# Allegro board DPU_PoE_A1_Oct-13.brd
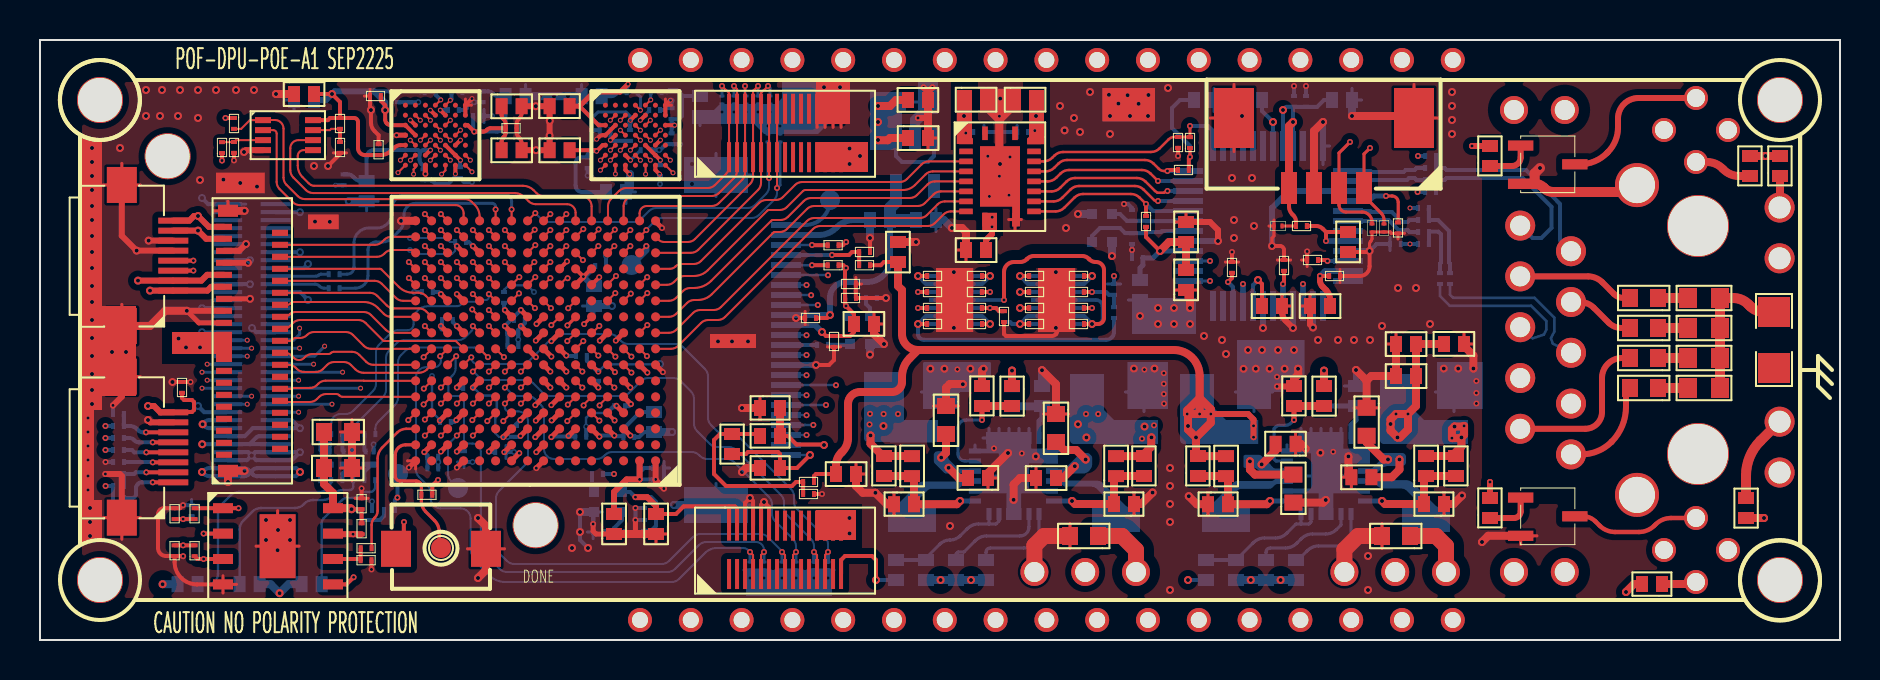
[diagram p0: board, top side]
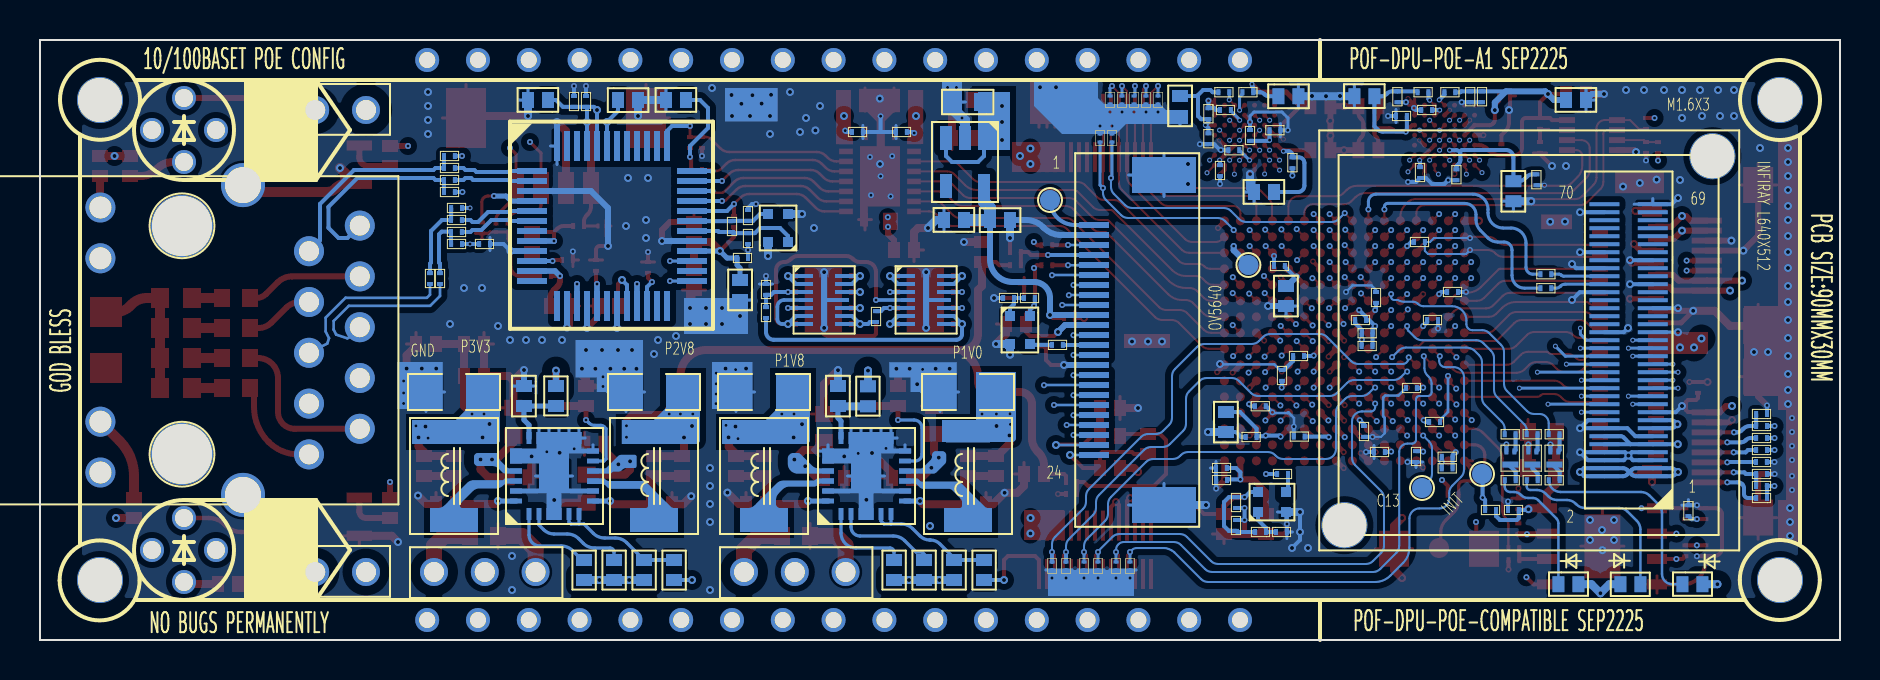
[diagram p1: board, bottom side, seen from below]

Outline 90 x 30 mm; copper layers: TOP, GND-2, SIG-3, VCC-4, GND-5, SIG-6, GND-7, BOTTOM. Coordinates in mm from the lower left corner of the outline.
Outline path: 0,30 90,30 90,0 0,0 0,30

## Design rules (mm)
constraint set DEFAULT: min track width 0.102, pair gap 0.2
net group CK: nets H1_D15 H1_RWDS1
net group DVP_MCLK: nets DVP_MCLK N763219
net group IO_LED_1: nets IO_LED_1 N1593321
net group IO_LED_2: nets IO_LED_2 N1593325
net group IO_LED_3: nets IO_LED_3 N1593329
net group IR_1V8_EN: nets IR_1V8_EN IR_3V3
net group IR_3V3_EN: nets IR_3V3_EN IR_5V0
net group IR_UART_RX: nets IR_UART_RX N2822398
net group IR_UART_TX: nets IR_UART_TX N2822416
net group MCLK: nets MCLK N900708
net group MG_DATABUS_8_15: nets IO-4 IR_D2
net group MIPI1_CLK: nets MIPI1_CLK+ MIPI1_CLK-
net group MIPI1_D0: nets MIPI1_D0+ MIPI1_D0-
net group MIPI1_D1: nets MIPI1_D1+ MIPI1_D1-
net group MIPI2_CLK: nets MIPI2_CLK+ MIPI2_CLK-
net group MIPI2_D0: nets MIPI2_D0+ MIPI2_D0-
net group MIPI2_D1: nets MIPI2_D1+ MIPI2_D1-
net group N2933507: nets N2933507 N2934366
net group P2V8: nets N2071731 N2071821
net group SYS_CLK: nets N990230 SYS_CLK
net group TN: nets N2902183 TN
net group TP: nets N2902195 TP
net group UPLD_TXD1: nets N3194743 UPLD_TXD1
net group UPLD_TXD2: nets N3195213 UPLD_TXD2
net group CENTER12: nets CENTER12 CENTER56 GND_EARTH N2982594 N29811470 N29812170 N29812430 N29812690 SPARE7 SPARE8
net group EN_ME1: nets EN_ME1 EN_ME2 PWR_EN_EXT
net group H1_CK: nets H1_CKN
net group MG1: nets H2_CKN H2_CKP H2_D0 H2_D1 H2_D2 H2_D3 H2_D4 H2_D5 H2_D6 H2_D7 H2_D8 H2_D9 H2_D10 H2_D12 H2_D13 H2_D14 H2_D15 H2_RWDS0 H2_RWDS1
net group MG2: nets H1_CKP H1_CS H1_D0 H1_D1 H1_D2 H1_D3 H1_D4 H1_D5 H1_D6 H1_D7 H1_D8 H1_D9 H1_D10 H1_D11 H1_D12 H1_D13 H1_D14 H1_RWDS0
net group MG_DATABUS_0_7: nets H2_D11
net group MG_DVP: nets DVP_D0 DVP_D1 DVP_D2 DVP_D3 DVP_D4 DVP_D5 DVP_D6 DVP_D7 DVP_HSYNC DVP_PCLK DVP_VSYNC
net group MG_IR_CAM: nets IR_D0 IR_D1 IR_D3 IR_D4 IR_D5 IR_D6 IR_D7 IR_D8 IR_D9 IR_D10 IR_D11 IR_D12 IR_D13 IR_D14 IR_D15 IR_HSYNC IR_PCLK IR_VSYNC
net group RN: nets N2902207 N3368856 N3369036 RN
net group RP: nets N2902219 N3368850 RP

## Placement (name value [footprint] x y rotation side)
C1  10uF  [C0402_SMT]  12.7 27.3 0 top
C2  0.1uF  [C0201_SMT]  16.5 27.2 0 top
C3  10uF  [C0402_SMT]  46.3 27.02 0 top
C4  10uF  [C0402_SMT]  48.75 27.02 0 top
C5  10uF  [C0402_SMT]  44.4 27 180 top
C6  10uF  [C0402_SMT]  23.08 26.69 0 top
C7  10uF  [C0402_SMT]  26.48 26.69 180 top
C8  0.1uF  [C0201_SMT]  23.83 25.59 180 top
C9  10uF  [C0402_SMT]  43.4 25.1 0 top
C10  0.1uF  [C0201_SMT]  56.9 25.15 270 top
C11  4.7uF  [C0201_SMT]  16.93 24.79 270 top
C12  10uF  [C0402_SMT]  23.08 24.49 0 top
C13  0.1uF  [C0402_SMT]  25.48 24.49 0 top
C14  0.1uF  [C0201_SMT]  67.9 20.33 90 top
C15  10uF  [C0402_SMT]  65.4 19.4 90 top
C16  10uF  [C0402_SMT]  46.3 19.5 0 top
C17  0.1uF  [C0201_SMT]  41.5 19.4 180 top
C18  10uF  [C0402_SMT]  42.9 19.9 270 top
C19  0.1uF  [C0201_SMT]  62.2 19 270 top
C20  10nF  [C0201_SMT]  59.6 18.9 270 top
C21  4.7uF  [C0201_SMT]  44.9 18.2 180 top
C22  4.7uF  [C0201_SMT]  47.1 18.2 180 top
C23  4.7uF  [C0201_SMT]  50 18.2 180 top
C24  4.7uF  [C0201_SMT]  52.2 18.2 180 top
C25  0.1uF  [C0201_SMT]  65 18.2 180 top
C26  0.1uF  [C0201_SMT]  40.25 17.8 0 top
C27  0.1uF  [C0201_SMT]  44.9 17.4 180 top
C28  0.1uF  [C0201_SMT]  50 17.4 180 top
C29  0.1uF  [C0201_SMT]  40.8 17.1 180 top
C30  10nF/100V  [C0603_SMT]  80.9 17.1 180 top
C31  4.7uF  [C0402_SMT]  61.1 16.7 0 top
C32  10uF  [C0402_SMT]  63.5 16.7 0 top
C33  0.1uF  [C0201_SMT]  44.9 16.6 180 top
C34  0.1uF  [C0201_SMT]  50 16.6 180 top
C35  0.1uF  [C0201_SMT]  48.2 15.9 90 top
C36  0.1uF  [C0201_SMT]  38.8 16.1 180 top
C37  10uF  [C0402_SMT]  41.7 15.8 180 top
C38  4.7uF  [C0201_SMT]  44.9 15.8 180 top
C39  4.7uF  [C0201_SMT]  47.1 15.8 180 top
C40  4.7uF  [C0201_SMT]  50 15.8 180 top
C41  4.7uF  [C0201_SMT]  52.2 15.8 180 top
C42  10nF/100V  [C0603_SMT]  80.9 15.6 180 top
C43  1000pF/2KV  [C1206_SMT]  87.5 13.4 90 top
C44  0.1uF  [C0201_SMT]  39.7 15.2 270 top
C45  10nF/100V  [C0603_SMT]  80.9 14.1 180 top
C46  0.1uF  [C0201_SMT]  7.1 12.9 270 top
C47  10nF/100V  [C0603_SMT]  80.9 12.6 180 top
C48  22uF  [C0603_SMT]  45.3 11.7 270 top
C49  22uF  [C0603_SMT]  66.33 11.61 270 top
C50  22uF  [C0603_SMT]  50.8 11.3 270 top
C51  0.1uF  [C0402_SMT]  62.78 9.81 180 top
C52  16pF  [C0402_SMT]  69.3 8.2 90 top
C53  200pF  [C0402_SMT]  43.6 8.2 90 top
C54  39pF  [C0402_SMT]  53.8 8.2 90 top
C55  20pF  [C0402_SMT]  59.3 8.2 90 top
C56  22uF  [C0603_SMT]  15.6 8.6 180 top
C57  10uF  [C0402_SMT]  39.8 8.3 0 top
C58  0.1uF  [C0402_SMT]  65.57 8.14 0 top
C59  0.1uF  [C0402_SMT]  47.4 8.1 180 top
C60  0.1uF  [C0402_SMT]  49.8 8.1 0 top
C61  22uF  [C0603_SMT]  62.67 6.87 90 top
C62  0.1uF  [C0201_SMT]  38.7 7.3 180 top
C63  0.1uF  [C0201_SMT]  16.08 6.54 90 top
C64  0.1uF  [C0201_SMT]  6.73 6.59 270 top
C65  10uF  [C0402_SMT]  28.7 5.3 90 top
C66  10uF  [C0402_SMT]  30.8 5.3 90 top
C67  0.1uF  [C0201_SMT]  6.73 4.19 90 top
C68  10uF  [C0402_SMT]  28.08 27.19 180 bottom
C69  10uF  [C0402_SMT]  23.28 27.19 0 bottom
C70  0.1uF  [C0201_SMT]  22.13 26.89 90 bottom
C71  0.1uF  [C0201_SMT]  18.49 26.89 90 bottom
C72  0.1uF  [C0201_SMT]  17.9 26.89 90 bottom
C73  10uF  [C0402_SMT]  64.6 27 0 bottom
C74  10uF  [C0402_SMT]  61.1 27 180 bottom
C75  10uF  [C0402_SMT]  57.7 27 0 bottom
C76  10uF  [C0402_SMT]  12.7 27 0 bottom
C77  0.1uF  [C0201_SMT]  63.3 27.2 270 bottom
C78  0.1uF  [C0201_SMT]  62.7 27.2 270 bottom
C79  22uF  [C0603_SMT]  42.9 26.9 0 bottom
C80  10uF  [C0402_SMT]  33 26.2 90 bottom
C81  0.1uF  [C0201_SMT]  31 26.5 180 bottom
C82  0.1uF  [C0201_SMT]  20.94 26.5 180 bottom
C83  0.1uF  [C0201_SMT]  31.58 26.59 270 bottom
C84  0.1uF  [C0201_SMT]  22.2 26.2 180 bottom
C85  0.1uF  [C0201_SMT]  27.98 25.49 0 bottom
C86  0.1uF  [C0201_SMT]  49.4 25.4 180 bottom
C87  0.1uF  [C0201_SMT]  47.2 25.4 180 bottom
C88  0.1uF  [C0201_SMT]  29.5 25.5 270 bottom
C89  0.1uF  [C0201_SMT]  31.58 24.79 90 bottom
C90  0.1uF  [C0201_SMT]  30.58 24.49 180 bottom
C91  0.1uF  [C0201_SMT]  27.38 23.59 90 bottom
C92  0.1uF  [C0201_SMT]  31 23.2 90 bottom
C93  0.1uF  [C0201_SMT]  21 23.1 90 bottom
C94  0.1uF  [C0201_SMT]  19.18 22.99 90 bottom
C95  0.1uF  [C0201_SMT]  15.18 22.74 90 bottom
C96  10uF  [C0402_SMT]  16.33 22.94 270 bottom
C97  10uF  [C0402_SMT]  28.3 22.4 0 bottom
C98  12pF  [C0201_SMT]  54.6 21.5 270 bottom
C99  10uF  [C0402_SMT]  43.8 21 0 bottom
C100  10uF  [C0402_SMT]  42.5 21 180 bottom
C101  12pF  [C0201_SMT]  54.6 19.8 90 bottom
C102  0.1uF  [C0201_SMT]  21.3 19.9 180 bottom
C103  0.1uF  [C0201_SMT]  54.6 19.1 0 bottom
C104  4.7uF  [C0201_SMT]  28.3 18.7 180 bottom
C105  0.1uF  [C0201_SMT]  53.7 17.8 270 bottom
C106  10uF  [C0402_SMT]  55 17 90 bottom
C107  4.7uF  [C0201_SMT]  19.1 17.4 0 bottom
C108  10uF  [C0402_SMT]  27.7 17.7 270 bottom
C109  0.1uF  [C0201_SMT]  23.2 17.4 270 bottom
C110  0.1uF  [C0201_SMT]  23.7 16 0 bottom
C111  0.1uF  [C0201_SMT]  20.1 16 0 bottom
C112  0.1uF  [C0201_SMT]  23.37 15.34 0 bottom
C113  0.1uF  [C0201_SMT]  23.92 14.7 180 bottom
C114  0.1uF  [C0201_SMT]  26.8 14.2 0 bottom
C115  0.1uF  [C0201_SMT]  27.9 13.5 270 bottom
C116  0.1uF  [C0201_SMT]  21.7 12.6 180 bottom
C117  33uF  [C1206_SMT]  67.7 13.2 0 bottom
C118  33uF  [C1206_SMT]  57.7 13.2 0 bottom
C119  47uF  [C1206_SMT]  52.2 13.2 0 bottom
C120  47uF  [C1206_SMT]  42 13.2 0 bottom
C121  1uF  [C0402_SMT]  65.8 12.7 270 bottom
C122  1uF  [C0402_SMT]  50.1 12.7 270 bottom
C123  4.7uF  [C0201_SMT]  28.71 11.69 0 bottom
C124  0.1uF  [C0201_SMT]  20 10.9 0 bottom
C125  10uF  [C0402_SMT]  30.7 11.4 270 bottom
C126  0.1uF  [C0201_SMT]  23.8 10.7 270 bottom
C127  4.7uF  [C0201_SMT]  27.31 10.17 180 bottom
C128  0.1uF  [C0201_SMT]  29.17 10.15 0 bottom
C129  0.1uF  [C0201_SMT]  23.3 9.4 180 bottom
C130  0.1uF  [C0201_SMT]  21.2 8.9 90 bottom
C131  0.1uF  [C0201_SMT]  19.36 9.16 0 bottom
C132  0.1uF  [C0201_SMT]  31.2 8.6 180 bottom
C133  4.7uF  [C0201_SMT]  19.91 8.58 180 bottom
C134  470nF  [C0201_SMT]  3.65 8.3 0 bottom
C135  0.1uF  [C0201_SMT]  30.65 8 0 bottom
C136  4.7uF  [C0201_SMT]  30.2 6.6 90 bottom
C137  0.1uF  [C0201_SMT]  16.6 6.5 180 bottom
C138  0.1uF  [C0201_SMT]  7.58 6.74 270 bottom
C139  0.1uF  [C0201_SMT]  30.2 6 270 bottom
C140  6.8nF  [C0201_SMT]  70 17.8 90 bottom
C141  6.8nF  [C0201_SMT]  70.5 17.8 90 bottom
C142  10nF  [C0201_SMT]  67.5 19.8 0 bottom
C143  10uF  [C0402_SMT]  57.3 19.9 90 top
C144  10uF  [C0402_SMT]  67.8 14.8 0 top
C145  10uF  [C0402_SMT]  71.2 14.8 180 top
C146  10uF  [C0402_SMT]  67.8 13.2 0 top
C147  10uF  [C0402_SMT]  57.3 17.5 90 top
C149  22uF  [C0603_SMT]  14.2 10.4 0 top
C150  22uF  [C0603_SMT]  52.9 5.2 180 top
C151  22uF  [C0603_SMT]  68.5 5.2 180 top
D1  PESD2V0Y1BSF  [DSN0603-2]  61.7 20.7 0 top
D2  PESD2V0Y1BSF  [DSN0603-2]  66.6 20.4 90 top
D3  PESD2V0Y1BSF  [DSN0603-2]  67.2 20.4 90 top
D4  PESD2V0Y1BSF  [DSN0603-2]  36.5 26.8 90 bottom
D5  PESD2V0Y1BSF  [DSN0603-2]  35.9 26.8 90 bottom
D6  PESD2V0Y1BSF  [DSN0603-2]  35.3 26.8 90 bottom
D7  PESD2V0Y1BSF  [DSN0603-2]  34.7 26.8 90 bottom
D8  PESD2V0Y1BSF  [DSN0603-2]  34.1 26.8 90 bottom
D9  PESD2V0Y1BSF  [DSN0603-2]  37 25.3 270 bottom
D10  PESD2V0Y1BSF  [DSN0603-2]  36.4 25.3 270 bottom
D11  PESD2V0Y1BSF  [DSN0603-2]  39.4 3.5 90 bottom
D12  PESD2V0Y1BSF  [DSN0603-2]  38.7 3.5 90 bottom
D13  PESD2V0Y1BSF  [DSN0603-2]  37.8 3.5 90 bottom
D14  PESD2V0Y1BSF  [DSN0603-2]  37.1 3.5 90 bottom
D15  PESD2V0Y1BSF  [DSN0603-2]  36.2 3.5 90 bottom
D16  PESD2V0Y1BSF  [DSN0603-2]  35.5 3.5 90 bottom
D17  LED  [LED0402_SMT]  14.08 2.79 180 bottom
D18  LED  [LED0402_SMT]  7.88 2.79 180 bottom
D19  LED  [LED0402_SMT]  9.98 2.79 0 bottom
FB1  BLM15PD121SN1D  [L0201_SMT]  62.8 20.7 0 top
FB2  BLM15PD121SN1D  [L0201_SMT]  41.5 18.74 180 top
FB3  BLM15PD121SN1D  [L0201_SMT]  38.7 7.9 180 top
J1  CONN-2X15P  [DF40HC_3D0_30DS_0D4]  34.45 26.56 0 top
J2  HC-1.25-4PWT  [SMD-1D25-4P-DEG0]  66.2 22.6 180 top
J3  CONN-1X8  [FPC-0D5-8P]  6.66 17.47 90 top
J4  CONN-1X8  [FPC-0D5-8P]  6.66 7.88 90 top
J5  CONN-2X15P  [DF40HC_3D0_30DS_0D4]  34.45 5.72 0 top
J6  CONN-1X2P  [CONN-1X2P-2D54]  73.7 26.5 0 bottom
J7  FPC-05F-24PH20  [FPC-0D5-24P]  37.3 9.25 90 bottom
J8  DF40HC(3.0)-70DS-0.4V(51)  [DF40HC-70DS_]  11.78 8.19 90 bottom
J9  CONN-1X2P  [CONN-1X2P-2D54]  73.7 3.4 0 bottom
J10  CONN-1X3P  [CONN-1X3P-2D54]  70.3 3.4 180 bottom
J11  CONN-1X3P  [CONN-1X3P-2D54]  54.8 3.4 180 bottom
L1  1uH/1A  [IND_SMD_4D4X4D2]  69.3 6 90 bottom
L2  1uH/1A  [IND_SMD_4D4X4D2]  59.3 6 90 bottom
L3  1uH/1A  [IND_SMD_4D4X4D2]  53.8 6 90 bottom
L4  1uH/1A  [IND_SMD_4D4X4D2]  43.6 6 90 bottom
LD1  LaserDiode  [LD_CIR_THR_4P]  82.8 25.5 270 bottom
LD2  LaserDiode  [LD_CIR_THR_4P]  82.8 4.5 270 bottom
NOREF  -  []  0 30 0 top
NOREF#2  -  [unnamed#2]  87 3 0 top
NOREF#3  -  []  0 0 90 top
NOREF#4  -  [unnamed#3]  82.9 9.3 0 top
NOREF#5  -  [unnamed#2]  6.38 24.19 0 top
NOREF#6  -  [unnamed#2]  3 27 0 top
NOREF#7  -  [unnamed#2]  3 3 0 top
NOREF#8  -  [unnamed#3]  82.9 20.7 0 top
NOREF#9  -  [unnamed#2]  24.78 5.74 0 top
NOREF#10  -  [unnamed#2]  87 27 0 top
Q1  BFR93AWH6327  [SOT23-3]  73.6 25.2 270 top
Q2  BFR93AWH6327  [SOT23-3]  73.6 7.6 270 top
Q3  BC847BMB,315  [DFN-3-1X0D6]  16.48 9.09 180 bottom
Q4  BC847BMB,315  [DFN-3-1X0D6]  15.38 9.09 180 bottom
Q5  BC847BMB,315  [DFN-3-1X0D6]  14.28 9.09 180 bottom
R1  10K  [R0201_SMT]  9.7 26.1 270 top
R2  10K  [R0201_SMT]  15 26.1 270 top
R3  10K  [R0201_SMT]  57.5 24.6 90 top
R4  10K  [R0201_SMT]  9.1 24.35 90 top
R5  DNP  [R0201_SMT]  9.7 24.9 270 top
R6  DNP  [R0201_SMT]  15 24.9 270 top
R7  0R  [R0402_SMT]  72.5 23.7 90 top
R8  100R  [R0402_SMT]  85.5 23.2 90 top
R9  330R  [R0402_SMT]  87 23.2 90 top
R10  10K  [R0201_SMT]  56.9 23.5 0 top
R11  10K  [R0201_SMT]  55.3 21.2 270 top
R12  10K  [R0201_SMT]  39.93 19.74 180 top
R13  12.4K,1%  [R0201_SMT]  63.9 19 180 top
R14  10K  [R0201_SMT]  39.93 18.74 180 top
R15  100K  [R0201_SMT]  46.55 17.4 0 top
R16  100K  [R0201_SMT]  51.65 17.4 0 top
R17  75  [R0603_SMT]  82.4 17.1 0 top
R18  100K  [R0201_SMT]  46.55 16.6 0 top
R19  100K  [R0201_SMT]  51.65 16.6 0 top
R20  75  [R0603_SMT]  82.4 15.6 0 top
R21  75  [R0603_SMT]  82.4 14.1 0 top
R22  75  [R0603_SMT]  82.4 12.6 0 top
R23  DNP  [R0402_SMT]  47.1 11.7 90 top
R24  DNP  [R0402_SMT]  62.7 11.7 90 top
R25  0R  [R0402_SMT]  48.6 12.7 270 top
R26  0R  [R0402_SMT]  64.2 12.7 270 top
R27  DNP  [R0402_SMT]  36 11.6 0 top
R28  0R  [R0402_SMT]  36 10.2 0 top
R29  DNP  [R0402_SMT]  34.6 10.3 270 top
R30  24.9K  [R0402_SMT]  42.2 8.2 90 top
R31  125K  [R0402_SMT]  55.2 8.2 90 top
R32  120K  [R0402_SMT]  57.9 8.2 90 top
R33  154K  [R0402_SMT]  70.8 8.2 90 top
R34  0R  [R0402_SMT]  36 8.6 0 top
R35  4.7K  [R0201_SMT]  19.07 7.26 0 top
R36  100K  [R0402_SMT]  42.7 6.79 0 top
R37  100K  [R0402_SMT]  54.7 6.8 180 top
R38  48K  [R0402_SMT]  58.4 6.79 0 top
R39  49.9K  [R0402_SMT]  70.2 6.8 180 top
R40  0R  [R0402_SMT]  72.5 6.1 90 top
R41  330R  [R0402_SMT]  85.3 7.1 270 top
R42  4.7K  [R0201_SMT]  7.73 6.59 270 top
R43  4.7K  [R0201_SMT]  16.08 5.29 90 top
R44  33R  [R0201_SMT]  16.58 4.59 180 top
R45  4.7K  [R0201_SMT]  7.73 4.19 90 top
R46  DNP  [R0201_SMT]  16.03 3.99 0 top
R47  100R  [R0402_SMT]  81.1 2.8 180 top
R48  2.2K  [R0201_SMT]  31.08 27.39 180 bottom
R49  2.2K  [R0201_SMT]  29.88 27.39 180 bottom
R50  2.2K  [R0201_SMT]  21.12 27.39 180 bottom
R51  2.2K  [R0201_SMT]  19.78 27.39 180 bottom
R52  33R  [R0201_SMT]  69.8 23.6 180 bottom
R53  33R  [R0201_SMT]  69.8 23 180 bottom
R54  33R  [R0201_SMT]  69.45 21 180 bottom
R55  33R  [R0201_SMT]  69.45 20.4 180 bottom
R56  1M  [R0201_SMT]  55.4 20.4 90 bottom
R57  0R  [R0201_SMT]  14.98 18.29 180 bottom
R58  0R  [R0201_SMT]  14.98 17.59 180 bottom
R59  DNP  [R0201_SMT]  41.3 17.1 0 bottom
R60  0R  [R0201_SMT]  40.8 17.1 180 bottom
R61  100K  [R0201_SMT]  53.7 16.1 90 bottom
R62  100K  [R0201_SMT]  48.2 15.9 90 bottom
R63  33R  [R0201_SMT]  39.4 14.76 180 bottom
R64  10R  [R0402_SMT]  64.2 11.7 90 bottom
R65  10R  [R0402_SMT]  48.6 11.68 90 bottom
R66  DNP  [R0201_SMT]  3.65 11.3 0 bottom
R67  1K  [R0201_SMT]  3.65 10.7 0 bottom
R68  1K  [R0201_SMT]  16.77 10.29 180 bottom
R69  1K  [R0201_SMT]  15.66 10.29 180 bottom
R70  1K  [R0201_SMT]  14.56 10.29 180 bottom
R71  4.7K  [R0201_SMT]  3.65 10.1 0 bottom
R72  4.7K  [R0201_SMT]  3.65 9.5 0 bottom
R73  2.2K  [R0201_SMT]  4.2 8.9 180 bottom
R74  33R  [R0201_SMT]  27.6 8.3 0 bottom
R75  20K  [R0201_SMT]  16.21 7.99 0 bottom
R76  20K  [R0201_SMT]  15.12 7.99 0 bottom
R77  20K  [R0201_SMT]  14.02 7.99 0 bottom
R78  4.7K  [R0201_SMT]  4.2 7.7 180 bottom
R79  4.7K  [R0201_SMT]  3.65 7.1 0 bottom
R80  4.7K  [R0201_SMT]  17.2 6.5 0 bottom
R81  0R  [R0201_SMT]  28.7 5.4 0 bottom
R82  DNP  [R0201_SMT]  28.2 5.4 180 bottom
R83  10K  [R0402_SMT]  62.8 4 270 bottom
R84  10K  [R0402_SMT]  61.3 4 270 bottom
R85  0R  [R0402_SMT]  59.8 4 270 bottom
R86  DNP  [R0402_SMT]  58.3 4 270 bottom
R87  10K  [R0402_SMT]  47.3 4 270 bottom
R88  10K  [R0402_SMT]  45.8 4 270 bottom
R89  0R  [R0402_SMT]  44.3 4 270 bottom
R90  DNP  [R0402_SMT]  42.8 4 270 bottom
R91  49.9R  [R0201_SMT]  69.8 24.2 180 bottom
R92  49.9R  [R0201_SMT]  69.8 22.4 180 bottom
R93  49.9R  [R0201_SMT]  68.9 21.6 0 bottom
R94  49.9R  [R0201_SMT]  68.9 19.8 0 bottom
SW1  SW KEY-SPST  [SW_SMD_2P_L3D9_W3D0_P4D5]  22.3 4.56 180 top
TP1  T POINT F  [TP_THR_CIR_0D8_1D2]  30 29 0 top
TP2  T POINT F  [TP_THR_CIR_0D8_1D2]  32.54 29 0 top
TP3  T POINT F  [TP_THR_CIR_0D8_1D2]  35.08 29 0 top
TP4  T POINT F  [TP_THR_CIR_0D8_1D2]  37.62 29 0 top
TP5  T POINT F  [TP_THR_CIR_0D8_1D2]  40.16 29 0 top
TP6  T POINT F  [TP_THR_CIR_0D8_1D2]  42.7 29 0 top
TP7  T POINT F  [TP_THR_CIR_0D8_1D2]  45.24 29 0 top
TP8  T POINT F  [TP_THR_CIR_0D8_1D2]  47.78 29 0 top
TP9  T POINT F  [TP_THR_CIR_0D8_1D2]  50.32 29 0 top
TP10  T POINT F  [TP_THR_CIR_0D8_1D2]  52.86 29 0 top
TP11  T POINT F  [TP_THR_CIR_0D8_1D2]  55.4 29 0 top
TP12  T POINT F  [TP_THR_CIR_0D8_1D2]  57.94 29 0 top
TP13  T POINT F  [TP_THR_CIR_0D8_1D2]  60.48 29 0 top
TP14  T POINT F  [TP_THR_CIR_0D8_1D2]  63.02 29 0 top
TP15  T POINT F  [TP_THR_CIR_0D8_1D2]  65.56 29 0 top
TP16  T POINT F  [TP_THR_CIR_0D8_1D2]  68.1 29 0 top
TP17  T POINT F  [TP_THR_CIR_0D8_1D2]  70.64 29 0 top
TP18  T POINT F  [TP_SMD_1D0_NP]  20.05 4.6 0 top
TP19  T POINT F  [TP_THR_CIR_0D8_1D2]  30 1 0 top
TP20  T POINT F  [TP_THR_CIR_0D8_1D2]  32.54 1 0 top
TP21  T POINT F  [TP_THR_CIR_0D8_1D2]  35.08 1 0 top
TP22  T POINT F  [TP_THR_CIR_0D8_1D2]  37.62 1 0 top
TP23  T POINT F  [TP_THR_CIR_0D8_1D2]  40.16 1 0 top
TP24  T POINT F  [TP_THR_CIR_0D8_1D2]  42.7 1 0 top
TP25  T POINT F  [TP_THR_CIR_0D8_1D2]  45.24 1 0 top
TP26  T POINT F  [TP_THR_CIR_0D8_1D2]  47.78 1 0 top
TP27  T POINT F  [TP_THR_CIR_0D8_1D2]  50.32 1 0 top
TP28  T POINT F  [TP_THR_CIR_0D8_1D2]  52.86 1 0 top
TP29  T POINT F  [TP_THR_CIR_0D8_1D2]  55.4 1 0 top
TP30  T POINT F  [TP_THR_CIR_0D8_1D2]  57.94 1 0 top
TP31  T POINT F  [TP_THR_CIR_0D8_1D2]  60.48 1 0 top
TP32  T POINT F  [TP_THR_CIR_0D8_1D2]  63.02 1 0 top
TP33  T POINT F  [TP_THR_CIR_0D8_1D2]  65.56 1 0 top
TP34  T POINT F  [TP_THR_CIR_0D8_1D2]  68.1 1 0 top
TP35  T POINT F  [TP_THR_CIR_0D8_1D2]  70.64 1 0 top
TP36  T POINT F  [TP_SMD_1D0_NP]  39.5 22 180 bottom
TP37  T POINT F  [TP_SMD_1D0_NP]  17.9 8.3 180 bottom
TP38  T POINT F  [TP_SMD_1D0_NP]  20.9 7.6 180 bottom
TP39  T POINT F  [TP_SMD_1D0_NP]  29.58 18.75 180 bottom
U1  CAT25512HU5I-GT3  [UDFN-8-2X3]  13.65 25.99 270 top
U2  W958D6NBKX4I  [WFBGA-49]  18.27 26.74 0 top
U3  W958D6NBKX4I  [WFBGA-49]  28.27 26.74 0 top
U4  TXS0108ERGYR  [VQFN-20]  48 23.18 270 top
U5  LIFCL-40-7BG256I  [CABGA-256]  30.78 8.96 180 top
U6  W25Q32JWZPIQ_TR  [WSON-8-EP-6X5MM]  11.88 4.69 0 top
U7  TLV75515PDBVR  [SOT-23-5]  42.8 25.1 270 bottom
U8  W5500  [LQFP-48]  61.4 20.7 270 bottom
U9  TPS22976DPUR  [WSON-14-EP]  49.9 18.2 270 bottom
U10  TPS22976DPUR  [WSON-14-EP]  44.8 18.2 270 bottom
U11  HY931147C  [RJ-45-POE]  82.9 15 90 bottom
U12  MAX20416ATGD/V+  [TQFN-24]  64.3 8.2 180 bottom
U13  MAX20416ATGD/V+  [TQFN-24]  48.7 8.2 180 bottom
Y1  Hirose FH35C-39S-0.3SHW  [FH35C-39S-0D3SHW]  9.2 14.96 270 top
Y2  XRCGB-25MHz  [SMD2016-4P]  53.6 19.9 90 bottom
Y3  24.0MHz  [SMD2016-4P]  40.5 16.2 270 bottom
Y4  25.0MHz  [SMD2016-4P]  29.1 7.4 180 bottom

## Library data of the parts
C1-C55 C57-C78 C80-C98 C100-C116 C121-C147 = CAP NP: signal model: DEFAULT_CAPACITOR_1e+07pF_2_1
C56 C79 C99 C117-C120 C149-C151 = CAP NP: signal model: DEFAULT_CAPACITOR_2.2e+07pF_2_1
D1-D16 = DIODE TVS BI-DIR
D17-D19 = LED
FB1-FB3 = INDUCTOR
J1 J5 = CONN-2X15P
J2 = SIP-1x4
J3 J4 = CONN-1X8
J6 J9 = CONN-1X2P
J7 = OV5640-FPC-24P-DVP
J8 = Header2x35
J10 J11 = CONN-1X3P
L1-L4 = INDUCTOR: signal model: DEFAULT_INDUCTOR_4700nH_2_1
LD1 LD2 = LaserDiode_0
Q1 Q2 = 2SC1815
Q3-Q5 = MMBT2222AL
R1-R14 R17 R20-R26 R30-R33 R35-R74 R78-R94 = R: signal model: DEFAULT_RESISTOR_10000OHM_2_1
R15 R16 R18 R19 R27-R29 R34 R75-R77 = R
SW1 = SW KEY-SPST
TP1-TP39 = T POINT F
U1 = CAT25512HU5I-GT3
U2 U3 = W958D6NBKX4I
U4 = TXS0108ERGYR
U5 = LIFCL-40-BG256
U6 = GD25Q128ESIGR
U7 = TLV75515PDBVR
U8 = W5500
U9 U10 = TPS22976DPUR
U11 = HY931147C
U12 U13 = MAX20416ATGD/V+
Y1 = FH35C-39S-0DSHW
Y2 = CRY2016-4P
Y3 Y4 = OSCILLATOR

## Footprints (pads in the part's own frame, mm; a bottom-side part is the same pattern mirrored in y, then rotated)
C0201_SMT
  rect 0.2x0.3 smd: 1(0,0) 2(0.544,0)
C0402_SMT
  rect 0.6x0.8 smd: 1(0,0) 2(1,0)
C0603_SMT
  rect 0.8x0.9 smd: 1(0,0) 2(1.4,0)
C1206_SMT
  rect 1.5x1.6 smd: 1(0.2,0.8) 2(3,0.8)
CABGA-256
  round 0.45 smd: A1(0,0) A2(0.8,0) A3(1.6,0) A4(2.4,0) A5(3.2,0) A6(4,0) A7(4.8,0) A8(5.6,0) A9(6.4,0) A10(7.2,0) A11(8,0) A12(8.8,0) A13(9.6,0) A14(10.4,0) A15(11.2,0) A16(12,0) B1(0,-0.8) B2(0.8,-0.8) B3(1.6,-0.8) B4(2.4,-0.8) B5(3.2,-0.8) B6(4,-0.8) B7(4.8,-0.8) B8(5.6,-0.8) B9(6.4,-0.8) B10(7.2,-0.8) B11(8,-0.8) B12(8.8,-0.8) B13(9.6,-0.8) B14(10.4,-0.8) B15(11.2,-0.8) B16(12,-0.8) C1(0,-1.6) C2(0.8,-1.6) C3(1.6,-1.6) C4(2.4,-1.6) C5(3.2,-1.6) C6(4,-1.6) C7(4.8,-1.6) C8(5.6,-1.6) C9(6.4,-1.6) C10(7.2,-1.6) C11(8,-1.6) C12(8.8,-1.6) C13(9.6,-1.6) C14(10.4,-1.6) C15(11.2,-1.6) C16(12,-1.6) D1(0,-2.4) D2(0.8,-2.4) D3(1.6,-2.4) D4(2.4,-2.4) D5(3.2,-2.4) D6(4,-2.4) D7(4.8,-2.4) D8(5.6,-2.4) D9(6.4,-2.4) D10(7.2,-2.4) D11(8,-2.4) D12(8.8,-2.4) D13(9.6,-2.4) D14(10.4,-2.4) D15(11.2,-2.4) D16(12,-2.4) E1(0,-3.2) E2(0.8,-3.2) E3(1.6,-3.2) E4(2.4,-3.2) E5(3.2,-3.2) E6(4,-3.2) E7(4.8,-3.2) E8(5.6,-3.2) E9(6.4,-3.2) E10(7.2,-3.2) E11(8,-3.2) E12(8.8,-3.2) E13(9.6,-3.2) E14(10.4,-3.2) E15(11.2,-3.2) E16(12,-3.2) F1(0,-4) F2(0.8,-4) F3(1.6,-4) F4(2.4,-4) F5(3.2,-4) F6(4,-4) F7(4.8,-4) F8(5.6,-4) F9(6.4,-4) F10(7.2,-4) F11(8,-4) F12(8.8,-4) F13(9.6,-4) F14(10.4,-4) F15(11.2,-4) F16(12,-4) G1(0,-4.8) G2(0.8,-4.8) G3(1.6,-4.8) G4(2.4,-4.8) G5(3.2,-4.8) G6(4,-4.8) G7(4.8,-4.8) G8(5.6,-4.8) G9(6.4,-4.8) G10(7.2,-4.8) G11(8,-4.8) G12(8.8,-4.8) G13(9.6,-4.8) G14(10.4,-4.8) G15(11.2,-4.8) G16(12,-4.8) H1(0,-5.6) H2(0.8,-5.6) H3(1.6,-5.6) H4(2.4,-5.6) H5(3.2,-5.6) H6(4,-5.6) H7(4.8,-5.6) H8(5.6,-5.6) H9(6.4,-5.6) H10(7.2,-5.6) H11(8,-5.6) H12(8.8,-5.6) H13(9.6,-5.6) H14(10.4,-5.6) H15(11.2,-5.6) H16(12,-5.6) J1(0,-6.4) J2(0.8,-6.4) J3(1.6,-6.4) J4(2.4,-6.4) J5(3.2,-6.4) J6(4,-6.4) J7(4.8,-6.4) J8(5.6,-6.4) J9(6.4,-6.4) J10(7.2,-6.4) J11(8,-6.4) J12(8.8,-6.4) J13(9.6,-6.4) J14(10.4,-6.4) J15(11.2,-6.4) J16(12,-6.4) K1(0,-7.2) K2(0.8,-7.2) K3(1.6,-7.2) K4(2.4,-7.2) K5(3.2,-7.2) K6(4,-7.2) K7(4.8,-7.2) K8(5.6,-7.2) K9(6.4,-7.2) K10(7.2,-7.2) K11(8,-7.2) K12(8.8,-7.2) K13(9.6,-7.2) K14(10.4,-7.2) K15(11.2,-7.2) K16(12,-7.2) L1(0,-8) L2(0.8,-8) L3(1.6,-8) L4(2.4,-8) L5(3.2,-8) L6(4,-8) L7(4.8,-8) L8(5.6,-8) L9(6.4,-8) L10(7.2,-8) L11(8,-8) L12(8.8,-8) L13(9.6,-8) L14(10.4,-8) L15(11.2,-8) L16(12,-8) M1(0,-8.8) M2(0.8,-8.8) M3(1.6,-8.8) M4(2.4,-8.8) M5(3.2,-8.8) M6(4,-8.8) M7(4.8,-8.8) M8(5.6,-8.8) M9(6.4,-8.8) M10(7.2,-8.8) M11(8,-8.8) M12(8.8,-8.8) M13(9.6,-8.8) M14(10.4,-8.8) M15(11.2,-8.8) M16(12,-8.8) N1(0,-9.6) N2(0.8,-9.6) N3(1.6,-9.6) N4(2.4,-9.6) N5(3.2,-9.6) N6(4,-9.6) N7(4.8,-9.6) N8(5.6,-9.6) N9(6.4,-9.6) N10(7.2,-9.6) N11(8,-9.6) N12(8.8,-9.6) N13(9.6,-9.6) N14(10.4,-9.6) N15(11.2,-9.6) N16(12,-9.6) P1(0,-10.4) P2(0.8,-10.4) P3(1.6,-10.4) P4(2.4,-10.4) P5(3.2,-10.4) P6(4,-10.4) P7(4.8,-10.4) P8(5.6,-10.4) P9(6.4,-10.4) P10(7.2,-10.4) P11(8,-10.4) P12(8.8,-10.4) P13(9.6,-10.4) P14(10.4,-10.4) P15(11.2,-10.4) P16(12,-10.4) R1(0,-11.2) R2(0.8,-11.2) R3(1.6,-11.2) R4(2.4,-11.2) R5(3.2,-11.2) R6(4,-11.2) R7(4.8,-11.2) R8(5.6,-11.2) R9(6.4,-11.2) R10(7.2,-11.2) R11(8,-11.2) R12(8.8,-11.2) R13(9.6,-11.2) R14(10.4,-11.2) R15(11.2,-11.2) R16(12,-11.2) T1(0,-12) T2(0.8,-12) T3(1.6,-12) T4(2.4,-12) T5(3.2,-12) T6(4,-12) T7(4.8,-12) T8(5.6,-12) T9(6.4,-12) T10(7.2,-12) T11(8,-12) T12(8.8,-12) T13(9.6,-12) T14(10.4,-12) T15(11.2,-12) T16(12,-12)
CONN-1X2P-2D54
  round 1.4 hole 1: 1(0,0) 2(2.54,0)
CONN-1X3P-2D54
  round 1.4 hole 1: 1(0,0) 2(2.54,0) 3(5.08,0)
DF40HC-70DS_
  rect 0.2x1.5 smd: 1(0,-2.42) 2(0,0) 3(0.4,-2.42) 4(0.4,0) 5(0.8,-2.42) 6(0.8,0) 7(1.2,-2.42) 8(1.2,0) 9(1.6,-2.42) 10(1.6,0) 11(2,-2.42) 12(2,0) 13(2.4,-2.42) 14(2.4,0) 15(2.8,-2.42) 16(2.8,0) 17(3.2,-2.42) 18(3.2,0) 19(3.6,-2.42) 20(3.6,0) 21(4,-2.42) 22(4,0) 23(4.4,-2.42) 24(4.4,0) 25(4.8,-2.42) 26(4.8,0) 27(5.2,-2.42) 28(5.2,0) 29(5.6,-2.42) 30(5.6,0) 31(6,-2.42) 32(6,0) 33(6.4,-2.42) 34(6.4,0) 35(6.8,-2.42) 36(6.8,0) 37(7.2,-2.42) 38(7.2,0) 39(7.6,-2.42) 40(7.6,0) 41(8,-2.42) 42(8,0) 43(8.4,-2.42) 44(8.4,0) 45(8.8,-2.42) 46(8.8,0) 47(9.2,-2.42) 48(9.2,0) 49(9.6,-2.42) 50(9.6,0) 51(10,-2.42) 52(10,0) 53(10.4,-2.42) 54(10.4,0) 55(10.8,-2.42) 56(10.8,0) 57(11.2,-2.42) 58(11.2,0) 59(11.6,-2.42) 60(11.6,0) 61(12,-2.42) 62(12,0) 63(12.4,-2.42) 64(12.4,0) 65(12.8,-2.42) 66(12.8,0) 67(13.2,-2.42) 68(13.2,0) 69(13.6,-2.42) 70(13.6,0)
DF40HC_3D0_30DS_0D4
  rect 0.2x1.5 smd: 1(0,-2.42) 2(0,0) 3(0.4,-2.42) 4(0.4,0) 5(0.8,-2.42) 6(0.8,0) 7(1.2,-2.42) 8(1.2,0) 9(1.6,-2.42) 10(1.6,0) 11(2,-2.42) 12(2,0) 13(2.4,-2.42) 14(2.4,0) 15(2.8,-2.42) 16(2.8,0) 17(3.2,-2.42) 18(3.2,0) 19(3.6,-2.42) 20(3.6,0) 21(4,-2.42) 22(4,0) 23(4.4,-2.42) 24(4.4,0) 25(4.8,-2.42) 26(4.8,0) 27(5.2,-2.42) 28(5.2,0) 29(5.6,-2.42) 30(5.6,0)
DFN-3-1X0D6
  rect 0.2x0.3 smd: 1(0.2,0.34) 2(-0.2,0.34)
  rect 0.8x0.3 smd: 3(0,-0.32)
DSN0603-2
  rect 0.15x0.25 smd: 1(0,0) 2(0.4,0)
FH35C-39S-0D3SHW
  rect 0.3x0.8 smd: 1(5.7,0) 2(5.4,2.8) 3(5.1,0) 4(4.8,2.8) 5(4.5,0) 6(4.2,2.8) 7(3.9,0) 8(3.6,2.8) 9(3.3,0) 10(3,2.8) 11(2.7,0) 12(2.4,2.8) 13(2.1,0) 14(1.8,2.8) 15(1.5,0) 16(1.2,2.8) 17(0.9,0) 18(0.6,2.8) 19(0.3,0) 20(0,2.8) 21(-0.3,0) 22(-0.6,2.8) 23(-0.9,0) 24(-1.2,2.8) 25(-1.5,0) 26(-1.8,2.8) 27(-2.1,0) 28(-2.4,2.8) 29(-2.7,0) 30(-3,2.8) 31(-3.3,0) 32(-3.6,2.8) 33(-3.9,0) 34(-4.2,2.8) 35(-4.5,0) 36(-4.8,2.8) 37(-5.1,0) 38(-5.4,2.8) 39(-5.7,0)
  rect 0.6x1 smd: 40(6.5,0.2) 41(-6.5,0.2)
FPC-0D5-8P
  rect 0.3x1.5 smd: 1(0,0) 2(0.5,0) 3(1,0) 4(1.5,0) 5(2,0) 6(2.5,0) 7(3,0) 8(3.5,0)
  rect 1.8x1.5 smd: 9(-1.767,2.573) 10(5.283,2.573)
FPC-0D5-24P
  rect 0.3x1.5 smd: 1(11.5,0) 2(11,0) 3(10.5,0) 4(10,0) 5(9.5,0) 6(9,0) 7(8.5,0) 8(8,0) 9(7.5,0) 10(7,0) 11(6.5,0) 12(6,0) 13(5.5,0) 14(5,0) 15(4.5,0) 16(4,0) 17(3.5,0) 18(3,0) 19(2.5,0) 20(2,0) 21(1.5,0) 22(1,0) 23(0.5,0) 24(0,0)
  rect 1.8x3.2 smd: 25(-2.5,-3.5) 26(14,-3.5)
IND_SMD_4D4X4D2
  rect 1.05x2.2 smd: 1(0,0) 2(4.4,0)
L0201_SMT
  rect 0.2x0.3 smd: 1(0,0) 2(0.544,0)
LD_CIR_THR_4P
  round 1.2 hole 0.9: 1(1.6,0) 2(-1.6,0) 3(0,1.6) 4(0,-1.6)
LED0402_SMT
  rect 0.6x0.8 smd: 1(0,0) 2(1,0)
LQFP-48
  rect 0.3x1.5 smd: 1(-2.75,-4) 2(-2.25,-4) 3(-1.75,-4) 4(-1.25,-4) 5(-0.75,-4) 6(-0.25,-4) 7(0.25,-4) 8(0.75,-4) 9(1.25,-4) 10(1.75,-4) 11(2.25,-4) 12(2.75,-4) 25(2.75,4) 26(2.25,4) 27(1.75,4) 28(1.25,4) 29(0.75,4) 30(0.25,4) 31(-0.25,4) 32(-0.75,4) 33(-1.25,4) 34(-1.75,4) 35(-2.25,4) 36(-2.75,4)
  rect 1.5x0.3 smd: 13(4,-2.75) 14(4,-2.25) 15(4,-1.75) 16(4,-1.25) 17(4,-0.75) 18(4,-0.25) 19(4,0.25) 20(4,0.75) 21(4,1.25) 22(4,1.75) 23(4,2.25) 24(4,2.75) 37(-4,2.75) 38(-4,2.25) 39(-4,1.75) 40(-4,1.25) 41(-4,0.75) 42(-4,0.25) 43(-4,-0.25) 44(-4,-0.75) 45(-4,-1.25) 46(-4,-1.75) 47(-4,-2.25) 48(-4,-2.75)
R0201_SMT
  rect 0.2x0.3 smd: 1(0,0) 2(0.544,0)
R0402_SMT
  rect 0.6x0.8 smd: 1(0,0) 2(1,0)
R0603_SMT
  rect 0.9x1 smd: 1(0,0) 2(1.6,0)
RJ-45-POE
  round 1.5 hole 1: 1(5.72,-8.89) 2(4.44,-6.35) 3(3.18,-8.89) 4(1.9,-6.35) 5(0.64,-8.89) 6(-0.64,-6.35) 7(-1.9,-8.89) 8(-3.18,-6.35) 9(-4.44,-8.89) 10(-5.72,-6.35)
  round 1.5 hole 1.1: 11(6.625,4.08) 12(4.085,4.08) 13(-4.085,4.08) 14(-6.625,4.08)
  round 2.2 hole 1.8: GND1(-7.745,-3.05) GND2(7.745,-3.05)
SMD2016-4P
  rect 0.5x0.5 smd: 1(0,-1) 2(1.4,-1) 3(1.4,0) 4(0,0)
SMD-1D25-4P-DEG0
  rect 0.8x1.6 smd: 1(0,0) 2(1.25,0) 3(2.5,0) 4(3.75,0)
  rect 2x3 smd: 5(6.5,-3.5) 6(-2.5,-3.5)
SOT23-3
  rect 0.51x1.27 smd: 1(0.476,0.434) 2(2.391,0.434) 3(1.415,3.142)
SOT-23-5
  rect 1.2x0.6 smd: 1(0,0) 2(0,-0.95) 3(0,-1.9) 4(2.4,-1.9) 5(2.4,0)
SW_SMD_2P_L3D9_W3D0_P4D5
  rect 1.5x1.8 smd: 1(0,0) 2(4.5,0)
TP_SMD_1D0_NP
  round 1 smd: 1(0,0)
TP_THR_CIR_0D8_1D2
  round 1.2 hole 0.8: 1(0,0)
TQFN-24
  rect 0.25x0.6 smd: 1(-1.25,-1.9) 2(-0.75,-1.9) 3(-0.25,-1.9) 4(0.25,-1.9) 5(0.75,-1.9) 6(1.25,-1.9) 13(1.25,1.9) 14(0.75,1.9) 15(0.25,1.9) 16(-0.25,1.9) 17(-0.75,1.9) 18(-1.25,1.9)
  rect 0.6x0.25 smd: 7(1.95,-1.25) 8(1.95,-0.75) 9(1.95,-0.25) 10(1.95,0.25) 11(1.95,0.75) 12(1.95,1.25) 19(-1.9,1.25) 20(-1.9,0.75) 21(-1.9,0.25) 22(-1.9,-0.25) 23(-1.9,-0.75) 24(-1.9,-1.25)